# Allegro board PandaX_III_V3.brd (continued)
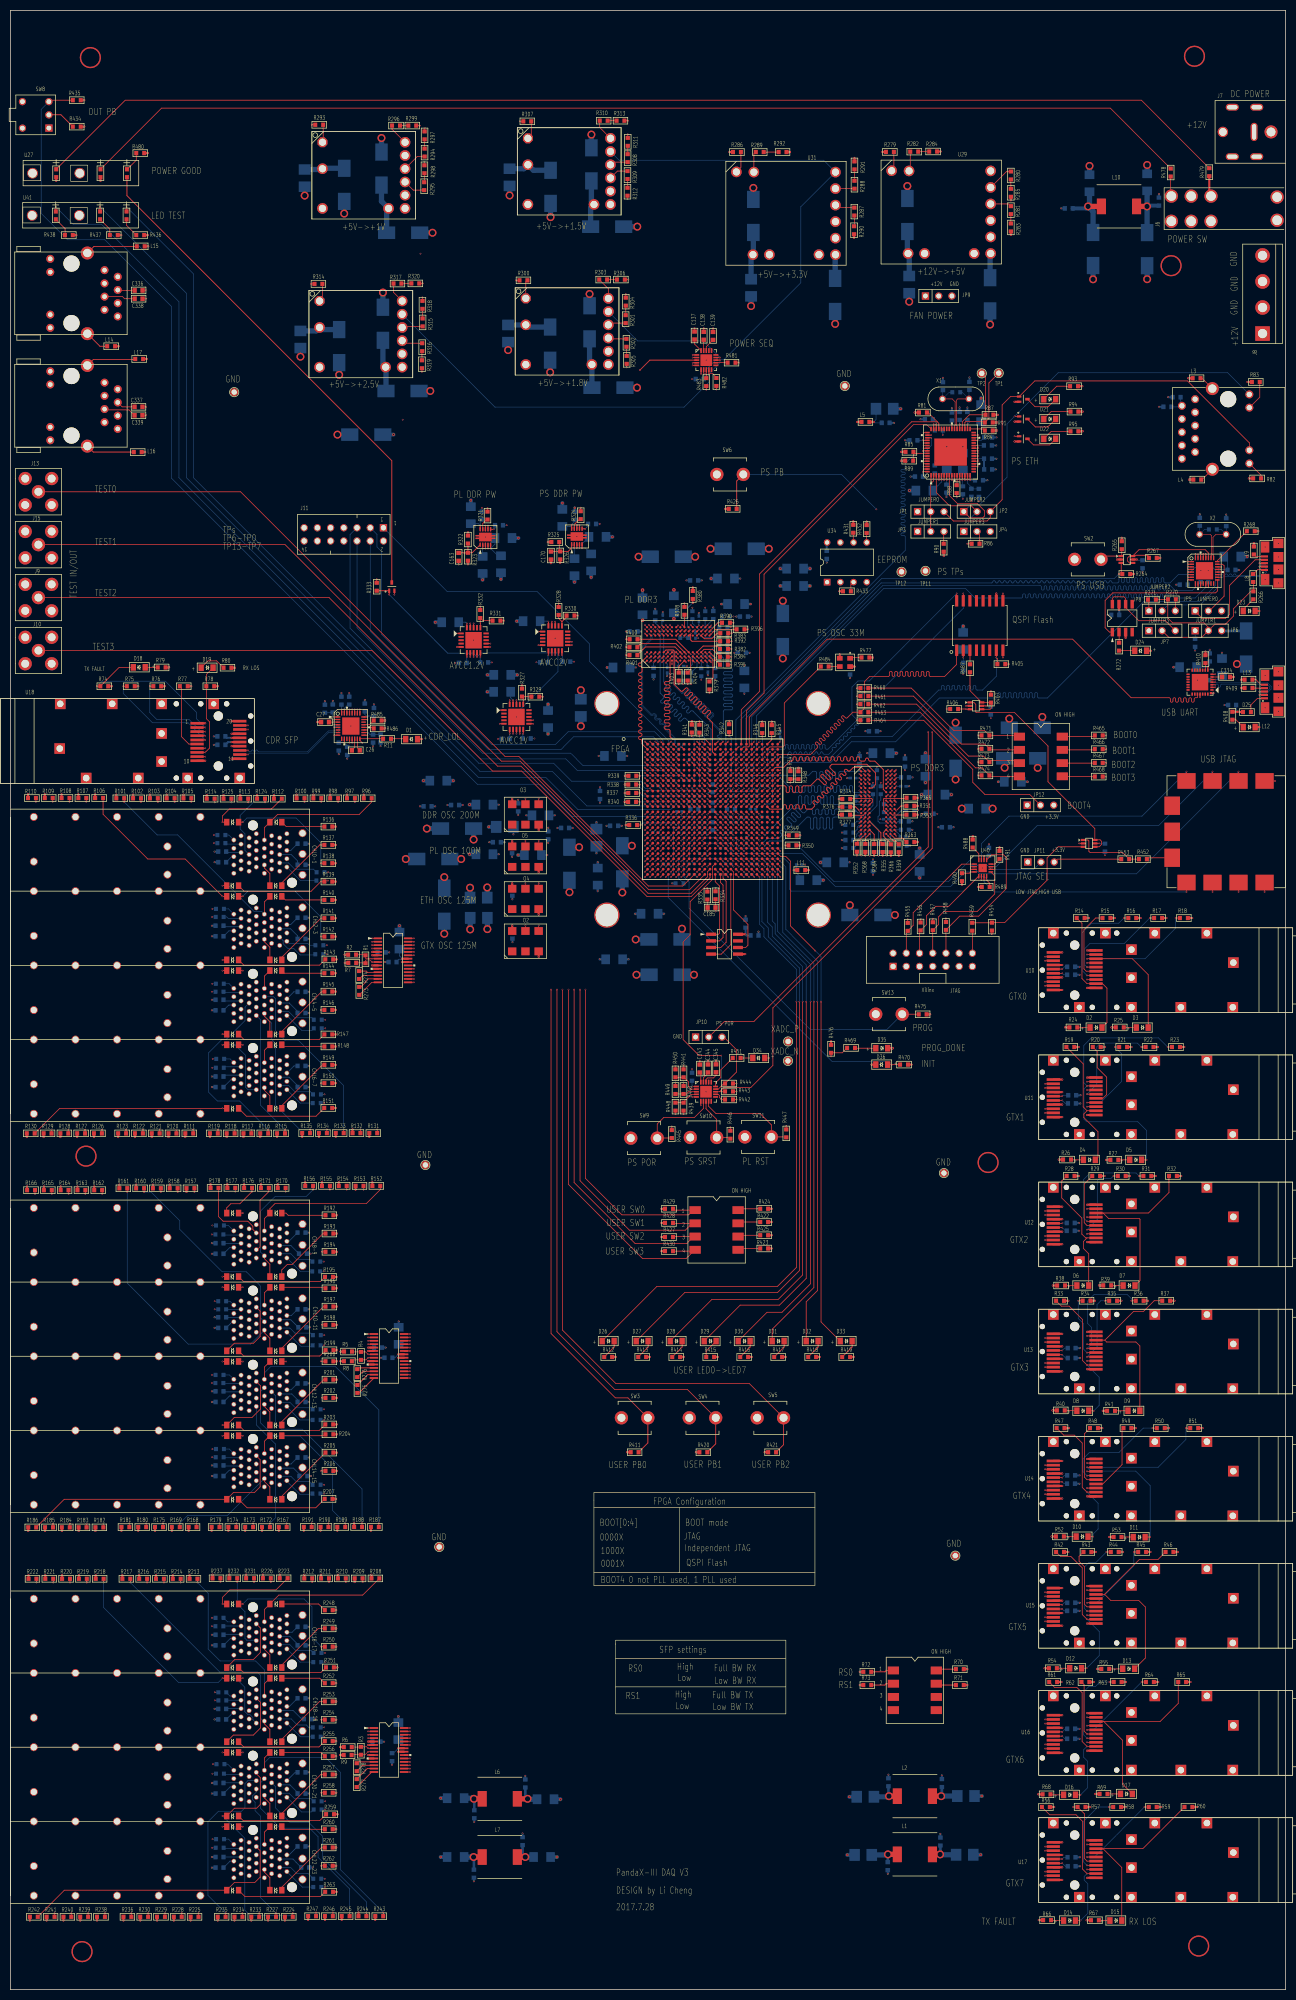
[diagram p0: board, top side]
## Placement (name value [footprint] x y rotation side) (continued)
TP11  TP  [GND40]  175.82 272.39 0 top
TP12  TP  [GND40]  171.22 272.21 0 top
U1  XC7Z045-2FFG676C  [FFG676]  134.92 226.62 0 top
U2  DS90LV110T  [TSSOP_28]  73.51 197.61 0 top
U3  DS90LV110T  [TSSOP_28]  72.75 121.64 0 top
U4  ADN2815  [USB3320_QFN32]  65.4 242.6 0 top
U6  88E1116R  [QFN_64]  180.64 295.2 90 top
U7  NC7WZ07  [SC70_6]  214.53 274.58 0 top
U8  USB3320  [USB3320_QFN32]  229.44 272.42 0 top
U9  MIC2025  [SOP127P500X600_8]  213.64 263.32 90 top
U10  74441-0010  [LASER22-4816-M]  208.58 192.33 180 top
U11  74441-0010  [LASER22-4816-M]  208.58 167.92 180 top
U12  74441-0010  [LASER22-4816-M]  208.58 143.51 180 top
U13  74441-0010  [LASER22-4816-M]  208.58 119.1 180 top
U14  74441-0010  [LASER22-4816-M]  208.58 94.69 180 top
U15  74441-0010  [LASER22-4816-M]  208.58 70.28 180 top
U16  74441-0010  [LASER22-4816-M]  208.58 45.87 180 top
U17  74441-0010  [LASER22-4816-M]  208.58 21.46 180 top
U18  74441-0010  [LASER22-4816-M]  35.86 243.13 0 top
U19  DS90LV110T  [TSSOP_28]  72.75 46 0 top
U20  TPS74901  [QFN_20]  97.23 244.35 0 top
U21  TPS74901  [QFN_20]  104.67 259.44 0 top
U22  TPS74901  [QFN_20]  89 259.08 0 top
U23  PTH04T230WAD  [R-PDSS-T10_CZ]  67.89 348.34 0 top
U24  PTH04T230WAD  [R-PDSS-T10_CZ]  106.96 318.36 0 top
U25  PTH04T230WAD  [R-PDSS-T10_CZ]  107.37 349.1 0 top
U26  PTH04T230WAD  [R-PDSS-T10_CZ]  67.34 317.86 0 top
U27  guangdaosuliao_0  [OP_3]  8.79 348.74 0 top
U28  TPS51200  [SON10_TPS51200]  91.26 278.89 0 top
U29  -  [PTH08T220W]  169.32 349.23 0 top
U30  MAX16027  [TQFN_20]  133.71 312.85 0 top
U31  -  [PTH08T220W]  139.5 349 0 top
U32  TPS51200  [SON10_TPS51200]  108.84 278.99 0 top
U33  MT41J256M16HA-107  [FBGA_DDR3_82P_96P]  166.67 227.89 0 top
U34  24LC64  [DIP8-100-300]  160.73 274.04 0 top
U35  CP2103  [QFN_28]  228.57 251.03 180 top
U36  NC7WZ07  [SC70_6]  185.52 246.48 0 top
U37  N25Q512A83GSF40  [SO16_WIDE]  186.26 261.9 0 top
U38  MAX16027  [TQFN_20]  133.65 172.39 0 top
U39  -  [JTAG-SMT2]  233.48 222.3 90 top
U40  TS3A44159  [QFN_16]  186.82 215.34 0 top
U41  guangdaosuliao_0  [OP_3]  8.71 340.64 0 top
U42  NC7WZ07  [SC70_6]  207.26 220.07 0 top
U43  MT41J256M16HA-107  [FBGA_DDR3_82P_96P]  128.32 258.37 90 top
X1  25M  [XTAL2-200A]  181.64 305.41 0 top
X2  24M  [XTAL2-200A]  231.04 279.4 180 top

## Library data of the parts
C7 C10 C13 C35 C37 C39 C41 C50 C51 C57 C58 C64 C69 C71 C72 C122 C126 C131 C133 C134 C136 C140-C162 C164 C167-C169 C171 C174 C175 C178 C179 C183 C196 C197 C210 C212-C214 C223-C226 C229-C240 C242 C243 C256-C258 C269 C270 C273-C275 C280-C284 C291 C296 C303-C305 C309 C314 C321-C323 C327 C332 C335 C503 = C POL
C8 C9 C11 C12 C14 C15 C20-C27 C30-C34 C36 C38 C40 C42-C49 C52-C56 C59-C63 C65-C68 C70 C73-C121 C123-C125 C127-C130 C132 C135 C137-C139 C163 C165 C166 C170 C172 C173 C176 C177 C180-C182 C184-C195 C198-C201 C203-C209 C211 C215-C222 C227 C228 C241 C244-C255 C259-C268 C271 C272 C276-C279 C285-C290 C292-C295 C297-C302 C306-C308 C310-C313 C315-C320 C324-C326 C328-C331 C333 C334 C336-C348 C350 C351 C354 C355 C357 C358 C481-C502 = C NP
D1-D36 = LED
DU1 DU2 = ETHERNET
DU3 = AT93C46D
J1 = RJ45_LED
J2 J14 = USB_micro
J3-J5 = Con_Stacked_SFP&SFP+
J6 = 1201M2S3AV2QE2
J7 = PJ-082BH
J8 = POWER_4
J9 J10 J13 J15 = LEMO
J11 J12 = JTAG_14
JP1-JP12 = JUMPER
L1-L17 = INDUCTOR_0: room: POWER
O1 = OSC
O2-O5 = OSC_DIFF
Q1-Q4 = RUE002N02
R1-R9 R11 R14-R539 = R
SW1 SW7 SW12 = SW-4
SW2-SW6 SW9-SW11 SW13 = SPB
SW8 = SW PUSHBUTTON_6
TP1-TP12 = TP
U1 = XC7Z045-2FFG676C
U2 U3 U19 = DS90LV110T
U4 = ADN2815
U6 = 88E1116R
U7 U36 U42 = NC7WZ07
U8 = USB3320
U9 = MIC2025
U10-U18 = 74441-0010
U20-U22 = TPS74901
U23-U26 = PTH04T230WAD
U27 U41 = guangdaosuliao_0
U28 U32 = TPS51200
U29 U31 = PTH08T220W
U30 U38 = MAX16027
U33 U43 = MT41J256M16HA-107
U34 = 24LC64
U35 = CP2103
U37 = N25Q512A83GSF40: User Part Number: part_number
U39 = JTAG-SMT2
U40 = TS3A44159
X1 X2 = XTAL

## Footprints (pads in the part's own frame, mm; a bottom-side part is the same pattern mirrored in y, then rotated)
1201M2S3AV2QE2
  round 2.54 hole 1.854: 1(-2.415,0) 2(-2.415,3.81) 3(-2.415,7.62) 4(2.415,0) 5(2.415,3.81) 6(2.415,7.62) 7(-2.225,-12.7) 8(2.225,-12.7)
CON-BNC-S-T
  round 2.54 hole 1.524: 1(0,0) 2(2.54,-2.54) 3(2.54,2.54) 4(-2.54,2.54) 5(-2.54,-2.54)
CON_STACKED_SFP_2X4
  round 1.9 hole 1.999 unplated: (-26.876,18.1) (-15.875,25.601) (-12.624,18.1) (-1.626,25.601) (1.626,18.1) (12.624,25.601) (15.875,18.1) (26.876,25.601)
  round 0.899 hole 0.65: 1L1(-18.075,17.371) 1L2(-18.875,18.75) 1L3(-19.675,17.371) 1L4(-20.475,18.75) 1L5(-21.275,17.371) 1L6(-22.075,18.75) 1L7(-22.875,17.371) 1L8(-23.675,18.75) 1L9(-24.475,17.371) 1L10(-25.275,18.75) 1L11(-24.874,15.819) 1L12(-24.074,14.43) 1L13(-23.274,15.819) 1L14(-22.474,14.43) 1L15(-21.674,15.819) 1L16(-20.876,14.43) 1L17(-20.076,15.819) 1L18(-19.276,14.43) 1L19(-18.476,15.819) 1L20(-17.676,14.43) 1T1(-24.874,21.689) 1T2(-24.074,20.3) 1T3(-23.274,21.689) 1T4(-22.474,20.3) 1T5(-21.674,21.689) 1T6(-20.876,20.3) 1T7(-20.076,21.689) 1T8(-19.276,20.3) 1T9(-18.476,21.689) 1T10(-17.676,20.3) 1T11(-18.075,23.241) 1T12(-18.875,24.62) 1T13(-19.675,23.241) 1T14(-20.475,24.62) 1T15(-21.275,23.241) 1T16(-22.075,24.62) 1T17(-22.875,23.241) 1T18(-23.675,24.62) 1T19(-24.475,23.241) 1T20(-25.275,24.62) 2L1(-3.825,17.371) 2L2(-4.625,18.75) 2L3(-5.425,17.371) 2L4(-6.225,18.75) 2L5(-7.026,17.371) 2L6(-7.826,18.75) 2L7(-8.626,17.371) 2L8(-9.426,18.75) 2L9(-10.226,17.371) 2L10(-11.026,18.75) 2L11(-10.625,15.819) 2L12(-9.825,14.43) 2L13(-9.025,15.819) 2L14(-8.224,14.43) 2L15(-7.424,15.819) 2L16(-6.624,14.43) 2L17(-5.824,15.819) 2L18(-5.024,14.43) 2L19(-4.224,15.819) 2L20(-3.424,14.43) 2T1(-10.625,21.689) 2T2(-9.825,20.3) 2T3(-9.025,21.689) 2T4(-8.224,20.3) 2T5(-7.424,21.689) 2T6(-6.624,20.3) 2T7(-5.824,21.689) 2T8(-5.024,20.3) 2T9(-4.224,21.689) 2T10(-3.424,20.3) 2T11(-3.825,23.241) 2T12(-4.625,24.62) 2T13(-5.425,23.241) 2T14(-6.225,24.62) 2T15(-7.026,23.241) 2T16(-7.826,24.62) 2T17(-8.626,23.241) 2T18(-9.426,24.62) 2T19(-10.226,23.241) 2T20(-11.026,24.62) 3L1(10.424,17.371) 3L2(9.624,18.75) 3L3(8.824,17.371) 3L4(8.024,18.75) 3L5(7.224,17.371) 3L6(6.426,18.75) 3L7(5.626,17.371) 3L8(4.826,18.75) 3L9(4.026,17.371) 3L10(3.226,18.75) 3L11(3.625,15.819) 3L12(4.425,14.43) 3L13(5.225,15.819) 3L14(6.025,14.43) 3L15(6.825,15.819) 3L16(7.625,14.43) 3L17(8.425,15.819) 3L18(9.225,14.43) 3L19(10.025,15.819) 3L20(10.826,14.43) 3T1(3.625,21.689) 3T2(4.425,20.3) 3T3(5.225,21.689) 3T4(6.025,20.3) 3T5(6.825,21.689) 3T6(7.625,20.3) 3T7(8.425,21.689) 3T8(9.225,20.3) 3T9(10.025,21.689) 3T10(10.826,20.3) 3T11(10.424,23.241) 3T12(9.624,24.62) 3T13(8.824,23.241) 3T14(8.024,24.62) 3T15(7.224,23.241) 3T16(6.426,24.62) 3T17(5.626,23.241) 3T18(4.826,24.62) 3T19(4.026,23.241) 3T20(3.226,24.62) 4L1(24.676,17.371) 4L2(23.876,18.75) 4L3(23.076,17.371) 4L4(22.276,18.75) 4L5(21.476,17.371) 4L6(20.676,18.75) 4L7(19.875,17.371) 4L8(19.075,18.75) 4L9(18.275,17.371) 4L10(17.475,18.75) 4L11(17.874,15.819) 4L12(18.674,14.43) 4L13(19.474,15.819) 4L14(20.274,14.43) 4L15(21.074,15.819) 4L16(21.875,14.43) 4L17(22.675,15.819) 4L18(23.475,14.43) 4L19(24.275,15.819) 4L20(25.075,14.43) 4T1(17.874,21.689) 4T2(18.674,20.3) 4T3(19.474,21.689) 4T4(20.274,20.3) 4T5(21.074,21.689) 4T6(21.875,20.3) 4T7(22.675,21.689) 4T8(23.475,20.3) 4T9(24.275,21.689) 4T10(25.075,20.3) 4T11(24.676,23.241) 4T12(23.876,24.62) 4T13(23.076,23.241) 4T14(22.276,24.62) 4T15(21.476,23.241) 4T16(20.676,24.62) 4T17(19.875,23.241) 4T18(19.075,24.62) 4T19(18.275,23.241) 4T20(17.475,24.62)
  rect 1.27x1.016 smd: 1L21(-27.501,15.339) 1L22(-27.501,13.061) 1L23(-15.301,15.339) 1L24(-15.301,13.061) 1T21(-27.501,23.64) 1T22(-27.501,21.359) 1T23(-15.301,23.64) 1T24(-15.301,21.359) 2L21(-13.251,15.339) 2L22(-13.251,13.061) 2L23(-1.049,15.339) 2L24(-1.049,13.061) 2T21(-13.251,23.64) 2T22(-13.251,21.359) 2T23(-1.049,23.64) 2T24(-1.049,21.359) 3L21(1.001,15.339) 3L22(1.001,13.061) 3L23(13.2,15.339) 3L24(13.2,13.061) 3T21(1.001,23.64) 3T22(1.001,21.359) 3T23(13.2,23.64) 3T24(13.2,21.359) 4L21(15.25,15.339) 4L22(15.25,13.061) 4L23(27.45,15.339) 4L24(27.45,13.061) 4T21(15.25,23.64) 4T22(15.25,21.359) 4T23(27.45,23.64) 4T24(27.45,21.359)
  round 1.501 hole 1.199: G1(-25.375,27.625) G2(-21.374,27.625) G3(-17.376,27.625) G4(-11.125,27.625) G5(-7.125,27.625) G6(-3.124,27.625) G7(3.124,27.625) G8(7.125,27.625) G9(11.125,27.625) G10(17.376,27.625) G11(21.374,27.625) G12(25.375,27.625) G21(-28.499,8.001) G22(-14.249,8.001) G23(0,8.001) G24(14.249,8.001) G25(28.499,8.001) G26(-22.824,1.674) G27(-17.424,1.674) G28(-8.575,1.674) G29(-3.175,1.674) G30(5.674,1.674) G31(11.074,1.674) G32(19.924,1.674) G33(25.324,1.674) G34(-28.499,0) G35(-14.249,0) G36(0,0) G37(14.249,0) G38(28.499,0) G39(-28.499,-8.001) G40(-14.249,-8.001) G41(0,-8.001) G42(14.249,-8.001) G43(28.499,-8.001) G44(-28.499,-16) G45(-14.249,-16) G46(0,-16) G47(14.249,-16) G48(28.499,-16) G49(-28.499,-24.001) G50(-19.924,-24.001) G51(-14.249,-24.001) G52(-5.674,-24.001) G53(0,-24.001) G54(8.575,-24.001) G55(14.249,-24.001) G56(22.824,-24.001) G57(28.499,-24.001)
CT1206
  rect 1.651x1.88 smd: 1(-1.632,0) 2(1.632,0)
CT3528
  rect 2.032x2.286 smd: 1(-1.651,0) 2(1.651,0)
CT7343
  rect 3.302x2.413 smd: 1(-3.175,0) 2(3.175,0)
DEM8045C
  rect 1.75x3 smd: 1(-3.375,0) 2(3.375,0)
DIP8-100-300
  rect 1.27x1.27 hole 0.813: 1(-3.81,-3.81)
  round 1.27 hole 0.813: 2(-1.27,-3.81) 3(1.27,-3.81) 4(3.81,-3.81) 5(3.81,3.81) 6(1.27,3.81) 7(-1.27,3.81) 8(-3.81,3.81)
EMT3
  rect 0.851x0.399 smd: 1(-0.8,-0.5) 2(-0.8,0.5)
  rect 0.851x0.5 smd: 3(0.8,0)
FBGA_DDR3_82P_96P
  round 0.399 smd: A1(-3.2,6) A2(-2.4,6) A3(-1.6,6) A7(1.6,6) A8(2.4,6) A9(3.2,6) B1(-3.2,5.199) B2(-2.4,5.199) B3(-1.6,5.199) B7(1.6,5.199) B8(2.4,5.199) B9(3.2,5.199) C1(-3.2,4.399) C2(-2.4,4.399) C3(-1.6,4.399) C7(1.6,4.399) C8(2.4,4.399) C9(3.2,4.399) D1(-3.2,3.599) D2(-2.4,3.599) D3(-1.6,3.599) D7(1.6,3.599) D8(2.4,3.599) D9(3.2,3.599) E1(-3.2,2.799) E2(-2.4,2.799) E3(-1.6,2.799) E7(1.6,2.799) E8(2.4,2.799) E9(3.2,2.799) F1(-3.2,1.999) F2(-2.4,1.999) F3(-1.6,1.999) F7(1.6,1.999) F8(2.4,1.999) F9(3.2,1.999) G1(-3.2,1.199) G2(-2.4,1.199) G3(-1.6,1.199) G7(1.6,1.199) G8(2.4,1.199) G9(3.2,1.199) H1(-3.2,0.399) H2(-2.4,0.399) H3(-1.6,0.399) H7(1.6,0.399) H8(2.4,0.399) H9(3.2,0.399) J1(-3.2,-0.399) J2(-2.4,-0.399) J3(-1.6,-0.399) J7(1.6,-0.399) J8(2.4,-0.399) J9(3.2,-0.399) K1(-3.2,-1.199) K2(-2.4,-1.199) K3(-1.6,-1.199) K7(1.6,-1.199) K8(2.4,-1.199) K9(3.2,-1.199) L1(-3.2,-1.999) L2(-2.4,-1.999) L3(-1.6,-1.999) L7(1.6,-1.999) L8(2.4,-1.999) L9(3.2,-1.999) M1(-3.2,-2.799) M2(-2.4,-2.799) M3(-1.6,-2.799) M7(1.6,-2.799) M8(2.4,-2.799) M9(3.2,-2.799) N1(-3.2,-3.599) N2(-2.4,-3.599) N3(-1.6,-3.599) N7(1.6,-3.599) N8(2.4,-3.599) N9(3.2,-3.599) P1(-3.2,-4.399) P2(-2.4,-4.399) P3(-1.6,-4.399) P7(1.6,-4.399) P8(2.4,-4.399) P9(3.2,-4.399) R1(-3.2,-5.199) R2(-2.4,-5.199) R3(-1.6,-5.199) R7(1.6,-5.199) R8(2.4,-5.199) R9(3.2,-5.199) T1(-3.2,-6) T2(-2.4,-6) T3(-1.6,-6) T7(1.6,-6) T8(2.4,-6) T9(3.2,-6)
FFG676
  round 0.508 smd: A1(-12.499,12.499) A2(-11.501,12.499) A3(-10.5,12.499) A4(-9.5,12.499) A5(-8.499,12.499) A6(-7.501,12.499) A7(-6.5,12.499) A8(-5.499,12.499) A9(-4.501,12.499) A10(-3.5,12.499) A11(-2.499,12.499) A12(-1.501,12.499) A13(-0.5,12.499) A14(0.5,12.499) A15(1.501,12.499) A16(2.499,12.499) A17(3.5,12.499) A18(4.501,12.499) A19(5.499,12.499) A20(6.5,12.499) A21(7.501,12.499) A22(8.499,12.499) A23(9.5,12.499) A24(10.5,12.499) A25(11.501,12.499) A26(12.499,12.499) AA1(-12.499,-7.501) AA2(-11.501,-7.501) AA3(-10.5,-7.501) AA4(-9.5,-7.501) AA5(-8.499,-7.501) AA6(-7.501,-7.501) AA7(-6.5,-7.501) AA8(-5.499,-7.501) AA9(-4.501,-7.501) AA10(-3.5,-7.501) AA11(-2.499,-7.501) AA12(-1.501,-7.501) AA13(-0.5,-7.501) AA14(0.5,-7.501) AA15(1.501,-7.501) AA16(2.499,-7.501) AA17(3.5,-7.501) AA18(4.501,-7.501) AA19(5.499,-7.501) AA20(6.5,-7.501) AA21(7.501,-7.501) AA22(8.499,-7.501) AA23(9.5,-7.501) AA24(10.5,-7.501) AA25(11.501,-7.501) AA26(12.499,-7.501) AB1(-12.499,-8.499) AB2(-11.501,-8.499) AB3(-10.5,-8.499) AB4(-9.5,-8.499) AB5(-8.499,-8.499) AB6(-7.501,-8.499) AB7(-6.5,-8.499) AB8(-5.499,-8.499) AB9(-4.501,-8.499) AB10(-3.5,-8.499) AB11(-2.499,-8.499) AB12(-1.501,-8.499) AB13(-0.5,-8.499) AB14(0.5,-8.499) AB15(1.501,-8.499) AB16(2.499,-8.499) AB17(3.5,-8.499) AB18(4.501,-8.499) AB19(5.499,-8.499) AB20(6.5,-8.499) AB21(7.501,-8.499) AB22(8.499,-8.499) AB23(9.5,-8.499) AB24(10.5,-8.499) AB25(11.501,-8.499) AB26(12.499,-8.499) AC1(-12.499,-9.5) AC2(-11.501,-9.5) AC3(-10.5,-9.5) AC4(-9.5,-9.5) AC5(-8.499,-9.5) AC6(-7.501,-9.5) AC7(-6.5,-9.5) AC8(-5.499,-9.5) AC9(-4.501,-9.5) AC10(-3.5,-9.5) AC11(-2.499,-9.5) AC12(-1.501,-9.5) AC13(-0.5,-9.5) AC14(0.5,-9.5) AC15(1.501,-9.5) AC16(2.499,-9.5) AC17(3.5,-9.5) AC18(4.501,-9.5) AC19(5.499,-9.5) AC20(6.5,-9.5) AC21(7.501,-9.5) AC22(8.499,-9.5) AC23(9.5,-9.5) AC24(10.5,-9.5) AC25(11.501,-9.5) AC26(12.499,-9.5) AD1(-12.499,-10.5) AD2(-11.501,-10.5) AD3(-10.5,-10.5) AD4(-9.5,-10.5) AD5(-8.499,-10.5) AD6(-7.501,-10.5) AD7(-6.5,-10.5) AD8(-5.499,-10.5) AD9(-4.501,-10.5) AD10(-3.5,-10.5) AD11(-2.499,-10.5) AD12(-1.501,-10.5) AD13(-0.5,-10.5) AD14(0.5,-10.5) AD15(1.501,-10.5) AD16(2.499,-10.5) AD17(3.5,-10.5) AD18(4.501,-10.5) AD19(5.499,-10.5) AD20(6.5,-10.5) AD21(7.501,-10.5) AD22(8.499,-10.5) AD23(9.5,-10.5) AD24(10.5,-10.5) AD25(11.501,-10.5) AD26(12.499,-10.5) AE1(-12.499,-11.501) AE2(-11.501,-11.501) AE3(-10.5,-11.501) AE4(-9.5,-11.501) AE5(-8.499,-11.501) AE6(-7.501,-11.501) AE7(-6.5,-11.501) AE8(-5.499,-11.501) AE9(-4.501,-11.501) AE10(-3.5,-11.501) AE11(-2.499,-11.501) AE12(-1.501,-11.501) AE13(-0.5,-11.501) AE14(0.5,-11.501) AE15(1.501,-11.501) AE16(2.499,-11.501) AE17(3.5,-11.501) AE18(4.501,-11.501) AE19(5.499,-11.501) AE20(6.5,-11.501) AE21(7.501,-11.501) AE22(8.499,-11.501) AE23(9.5,-11.501) AE24(10.5,-11.501) AE25(11.501,-11.501) AE26(12.499,-11.501) AF1(-12.499,-12.499) AF2(-11.501,-12.499) AF3(-10.5,-12.499) AF4(-9.5,-12.499) AF5(-8.499,-12.499) AF6(-7.501,-12.499) AF7(-6.5,-12.499) AF8(-5.499,-12.499) AF9(-4.501,-12.499) AF10(-3.5,-12.499) AF11(-2.499,-12.499) AF12(-1.501,-12.499) AF13(-0.5,-12.499) AF14(0.5,-12.499) AF15(1.501,-12.499) AF16(2.499,-12.499) AF17(3.5,-12.499) AF18(4.501,-12.499) AF19(5.499,-12.499) AF20(6.5,-12.499) AF21(7.501,-12.499) AF22(8.499,-12.499) AF23(9.5,-12.499) AF24(10.5,-12.499) AF25(11.501,-12.499) AF26(12.499,-12.499) B1(-12.499,11.501) B2(-11.501,11.501) B3(-10.5,11.501) B4(-9.5,11.501) B5(-8.499,11.501) B6(-7.501,11.501) B7(-6.5,11.501) B8(-5.499,11.501) B9(-4.501,11.501) B10(-3.5,11.501) B11(-2.499,11.501) B12(-1.501,11.501) B13(-0.5,11.501) B14(0.5,11.501) B15(1.501,11.501) B16(2.499,11.501) B17(3.5,11.501) B18(4.501,11.501) B19(5.499,11.501) B20(6.5,11.501) B21(7.501,11.501) B22(8.499,11.501) B23(9.5,11.501) B24(10.5,11.501) B25(11.501,11.501) B26(12.499,11.501) C1(-12.499,10.5) C2(-11.501,10.5) C3(-10.5,10.5) C4(-9.5,10.5) C5(-8.499,10.5) C6(-7.501,10.5) C7(-6.5,10.5) C8(-5.499,10.5) C9(-4.501,10.5) C10(-3.5,10.5) C11(-2.499,10.5) C12(-1.501,10.5) C13(-0.5,10.5) C14(0.5,10.5) C15(1.501,10.5) C16(2.499,10.5) C17(3.5,10.5) C18(4.501,10.5) C19(5.499,10.5) C20(6.5,10.5) C21(7.501,10.5) C22(8.499,10.5) C23(9.5,10.5) C24(10.5,10.5) C25(11.501,10.5) C26(12.499,10.5) D1(-12.499,9.5) D2(-11.501,9.5) D3(-10.5,9.5) D4(-9.5,9.5) D5(-8.499,9.5) D6(-7.501,9.5) D7(-6.5,9.5) D8(-5.499,9.5) D9(-4.501,9.5) D10(-3.5,9.5) D11(-2.499,9.5) D12(-1.501,9.5) D13(-0.5,9.5) D14(0.5,9.5) D15(1.501,9.5) D16(2.499,9.5) D17(3.5,9.5) D18(4.501,9.5) D19(5.499,9.5) D20(6.5,9.5) D21(7.501,9.5) D22(8.499,9.5) D23(9.5,9.5) D24(10.5,9.5) D25(11.501,9.5) D26(12.499,9.5) E1(-12.499,8.499) E2(-11.501,8.499) E3(-10.5,8.499) E4(-9.5,8.499) E5(-8.499,8.499) E6(-7.501,8.499) E7(-6.5,8.499) E8(-5.499,8.499) E9(-4.501,8.499) E10(-3.5,8.499) E11(-2.499,8.499) E12(-1.501,8.499) E13(-0.5,8.499) E14(0.5,8.499) E15(1.501,8.499) E16(2.499,8.499) E17(3.5,8.499) E18(4.501,8.499) E19(5.499,8.499) E20(6.5,8.499) E21(7.501,8.499) E22(8.499,8.499) E23(9.5,8.499) E24(10.5,8.499) E25(11.501,8.499) E26(12.499,8.499) F1(-12.499,7.501) F2(-11.501,7.501) F3(-10.5,7.501) F4(-9.5,7.501) F5(-8.499,7.501) F6(-7.501,7.501) F7(-6.5,7.501) F8(-5.499,7.501) F9(-4.501,7.501) F10(-3.5,7.501) F11(-2.499,7.501) F12(-1.501,7.501) F13(-0.5,7.501) F14(0.5,7.501) F15(1.501,7.501) F16(2.499,7.501) F17(3.5,7.501) F18(4.501,7.501) F19(5.499,7.501) F20(6.5,7.501) F21(7.501,7.501) F22(8.499,7.501) F23(9.5,7.501) F24(10.5,7.501) F25(11.501,7.501) F26(12.499,7.501) G1(-12.499,6.5) G2(-11.501,6.5) G3(-10.5,6.5) G4(-9.5,6.5) G5(-8.499,6.5) G6(-7.501,6.5) G7(-6.5,6.5) G8(-5.499,6.5) G9(-4.501,6.5) G10(-3.5,6.5) G11(-2.499,6.5) G12(-1.501,6.5) G13(-0.5,6.5) G14(0.5,6.5) G15(1.501,6.5) G16(2.499,6.5) G17(3.5,6.5) G18(4.501,6.5) G19(5.499,6.5) G20(6.5,6.5) G21(7.501,6.5) G22(8.499,6.5) G23(9.5,6.5) G24(10.5,6.5) G25(11.501,6.5) G26(12.499,6.5) H1(-12.499,5.499) H2(-11.501,5.499) H3(-10.5,5.499) H4(-9.5,5.499) H5(-8.499,5.499) H6(-7.501,5.499) H7(-6.5,5.499) H8(-5.499,5.499) H9(-4.501,5.499) H10(-3.5,5.499) H11(-2.499,5.499) H12(-1.501,5.499) H13(-0.5,5.499) H14(0.5,5.499) H15(1.501,5.499) H16(2.499,5.499) H17(3.5,5.499) H18(4.501,5.499) H19(5.499,5.499) H20(6.5,5.499) H21(7.501,5.499) H22(8.499,5.499) H23(9.5,5.499) H24(10.5,5.499) H25(11.501,5.499) H26(12.499,5.499) J1(-12.499,4.501) J2(-11.501,4.501) J3(-10.5,4.501) J4(-9.5,4.501) J5(-8.499,4.501) J6(-7.501,4.501) J7(-6.5,4.501) J8(-5.499,4.501) J9(-4.501,4.501) J10(-3.5,4.501) J11(-2.499,4.501) J12(-1.501,4.501) J13(-0.5,4.501) J14(0.5,4.501) J15(1.501,4.501) J16(2.499,4.501) J17(3.5,4.501) J18(4.501,4.501) J19(5.499,4.501) J20(6.5,4.501) J21(7.501,4.501) J22(8.499,4.501) J23(9.5,4.501) J24(10.5,4.501) J25(11.501,4.501) J26(12.499,4.501) K1(-12.499,3.5) K2(-11.501,3.5) K3(-10.5,3.5) K4(-9.5,3.5) K5(-8.499,3.5) K6(-7.501,3.5) K7(-6.5,3.5) K8(-5.499,3.5) K9(-4.501,3.5) K10(-3.5,3.5) K11(-2.499,3.5) K12(-1.501,3.5) K13(-0.5,3.5) K14(0.5,3.5) K15(1.501,3.5) K16(2.499,3.5) K17(3.5,3.5) K18(4.501,3.5) K19(5.499,3.5) K20(6.5,3.5) K21(7.501,3.5) K22(8.499,3.5) K23(9.5,3.5) K24(10.5,3.5) K25(11.501,3.5) K26(12.499,3.5) L1(-12.499,2.499) L2(-11.501,2.499) L3(-10.5,2.499) L4(-9.5,2.499) L5(-8.499,2.499) L6(-7.501,2.499) L7(-6.5,2.499) L8(-5.499,2.499) L9(-4.501,2.499) L10(-3.5,2.499) L11(-2.499,2.499) L12(-1.501,2.499) L13(-0.5,2.499) L14(0.5,2.499) L15(1.501,2.499) L16(2.499,2.499) L17(3.5,2.499) L18(4.501,2.499) L19(5.499,2.499) L20(6.5,2.499) L21(7.501,2.499) L22(8.499,2.499) L23(9.5,2.499) L24(10.5,2.499) L25(11.501,2.499) L26(12.499,2.499) M1(-12.499,1.501) M2(-11.501,1.501) M3(-10.5,1.501) M4(-9.5,1.501) M5(-8.499,1.501) M6(-7.501,1.501) M7(-6.5,1.501) M8(-5.499,1.501) M9(-4.501,1.501) M10(-3.5,1.501) M11(-2.499,1.501) M12(-1.501,1.501) M13(-0.5,1.501) M14(0.5,1.501) M15(1.501,1.501) M16(2.499,1.501) M17(3.5,1.501) M18(4.501,1.501) M19(5.499,1.501) M20(6.5,1.501) M21(7.501,1.501) M22(8.499,1.501) M23(9.5,1.501) M24(10.5,1.501) M25(11.501,1.501) M26(12.499,1.501) N1(-12.499,0.5) N2(-11.501,0.5) N3(-10.5,0.5) N4(-9.5,0.5) N5(-8.499,0.5) N6(-7.501,0.5) N7(-6.5,0.5) N8(-5.499,0.5) N9(-4.501,0.5) N10(-3.5,0.5) N11(-2.499,0.5) N12(-1.501,0.5) N13(-0.5,0.5) N14(0.5,0.5) N15(1.501,0.5) N16(2.499,0.5) N17(3.5,0.5) N18(4.501,0.5) N19(5.499,0.5) N20(6.5,0.5) N21(7.501,0.5) N22(8.499,0.5) N23(9.5,0.5) N24(10.5,0.5) N25(11.501,0.5) N26(12.499,0.5) P1(-12.499,-0.5) P2(-11.501,-0.5) P3(-10.5,-0.5) P4(-9.5,-0.5) P5(-8.499,-0.5) P6(-7.501,-0.5) P7(-6.5,-0.5) P8(-5.499,-0.5) P9(-4.501,-0.5) P10(-3.5,-0.5) P11(-2.499,-0.5) P12(-1.501,-0.5) P13(-0.5,-0.5) P14(0.5,-0.5) P15(1.501,-0.5) P16(2.499,-0.5) P17(3.5,-0.5) P18(4.501,-0.5) P19(5.499,-0.5) P20(6.5,-0.5) P21(7.501,-0.5) P22(8.499,-0.5) P23(9.5,-0.5) P24(10.5,-0.5) P25(11.501,-0.5) P26(12.499,-0.5) R1(-12.499,-1.501) R2(-11.501,-1.501) R3(-10.5,-1.501) R4(-9.5,-1.501) R5(-8.499,-1.501) R6(-7.501,-1.501) R7(-6.5,-1.501) R8(-5.499,-1.501) R9(-4.501,-1.501) R10(-3.5,-1.501) R11(-2.499,-1.501) R12(-1.501,-1.501) R13(-0.5,-1.501) R14(0.5,-1.501) R15(1.501,-1.501) R16(2.499,-1.501) R17(3.5,-1.501) R18(4.501,-1.501) R19(5.499,-1.501) R20(6.5,-1.501) R21(7.501,-1.501) R22(8.499,-1.501) R23(9.5,-1.501) R24(10.5,-1.501) R25(11.501,-1.501) R26(12.499,-1.501) T1(-12.499,-2.499) T2(-11.501,-2.499) T3(-10.5,-2.499) T4(-9.5,-2.499) T5(-8.499,-2.499) T6(-7.501,-2.499) T7(-6.5,-2.499) T8(-5.499,-2.499) T9(-4.501,-2.499) T10(-3.5,-2.499) T11(-2.499,-2.499) T12(-1.501,-2.499) T13(-0.5,-2.499) T14(0.5,-2.499) T15(1.501,-2.499) T16(2.499,-2.499) T17(3.5,-2.499) T18(4.501,-2.499) T19(5.499,-2.499) T20(6.5,-2.499) T21(7.501,-2.499) T22(8.499,-2.499) T23(9.5,-2.499) T24(10.5,-2.499) T25(11.501,-2.499) T26(12.499,-2.499) U1(-12.499,-3.5) U2(-11.501,-3.5) U3(-10.5,-3.5) U4(-9.5,-3.5) U5(-8.499,-3.5) U6(-7.501,-3.5) U7(-6.5,-3.5) U8(-5.499,-3.5) U9(-4.501,-3.5) U10(-3.5,-3.5) U11(-2.499,-3.5) U12(-1.501,-3.5) U13(-0.5,-3.5) U14(0.5,-3.5) U15(1.501,-3.5) U16(2.499,-3.5) U17(3.5,-3.5) U18(4.501,-3.5) U19(5.499,-3.5) U20(6.5,-3.5) U21(7.501,-3.5) U22(8.499,-3.5) U23(9.5,-3.5) U24(10.5,-3.5) U25(11.501,-3.5) U26(12.499,-3.5) V1(-12.499,-4.501) V2(-11.501,-4.501) V3(-10.5,-4.501) V4(-9.5,-4.501) V5(-8.499,-4.501) V6(-7.501,-4.501) V7(-6.5,-4.501) V8(-5.499,-4.501) V9(-4.501,-4.501) V10(-3.5,-4.501) V11(-2.499,-4.501) V12(-1.501,-4.501) V13(-0.5,-4.501) V14(0.5,-4.501) V15(1.501,-4.501) V16(2.499,-4.501) V17(3.5,-4.501) V18(4.501,-4.501) V19(5.499,-4.501) V20(6.5,-4.501) V21(7.501,-4.501) V22(8.499,-4.501) V23(9.5,-4.501) V24(10.5,-4.501) V25(11.501,-4.501) V26(12.499,-4.501) W1(-12.499,-5.499) W2(-11.501,-5.499) W3(-10.5,-5.499) W4(-9.5,-5.499) W5(-8.499,-5.499) W6(-7.501,-5.499) W7(-6.5,-5.499) W8(-5.499,-5.499) W9(-4.501,-5.499) W10(-3.5,-5.499) W11(-2.499,-5.499) W12(-1.501,-5.499) W13(-0.5,-5.499) W14(0.5,-5.499) W15(1.501,-5.499) W16(2.499,-5.499) W17(3.5,-5.499) W18(4.501,-5.499) W19(5.499,-5.499) W20(6.5,-5.499) W21(7.501,-5.499) W22(8.499,-5.499) W23(9.5,-5.499) W24(10.5,-5.499) W25(11.501,-5.499) W26(12.499,-5.499) Y1(-12.499,-6.5) Y2(-11.501,-6.5) Y3(-10.5,-6.5) Y4(-9.5,-6.5) Y5(-8.499,-6.5) Y6(-7.501,-6.5) Y7(-6.5,-6.5) Y8(-5.499,-6.5) Y9(-4.501,-6.5) Y10(-3.5,-6.5) Y11(-2.499,-6.5) Y12(-1.501,-6.5) Y13(-0.5,-6.5) Y14(0.5,-6.5) Y15(1.501,-6.5) Y16(2.499,-6.5) Y17(3.5,-6.5) Y18(4.501,-6.5) Y19(5.499,-6.5) Y20(6.5,-6.5) Y21(7.501,-6.5) Y22(8.499,-6.5) Y23(9.5,-6.5) Y24(10.5,-6.5) Y25(11.501,-6.5) Y26(12.499,-6.5)
GND40
  round 1.524 hole 1.016: 1(0,0)
HEAD-14P
  rect 1.397x1.397 hole 1.016: 1(-7.62,-1.27)
  round 1.397 hole 1.016: 2(-7.62,1.27) 3(-5.08,-1.27) 4(-5.08,1.27) 5(-2.54,-1.27) 6(-2.54,1.27) 7(0,-1.27) 8(0,1.27) 9(2.54,-1.27) 10(2.54,1.27) 11(5.08,-1.27) 12(5.08,1.27) 13(7.62,-1.27) 14(7.62,1.27)
JTAG-14P
  rect 1.397x1.397 hole 1.016: 1(5.131,3.226)
  round 1.397 hole 1.016: 2(5.131,5.766) 3(7.671,3.226) 4(7.671,5.766) 5(10.211,3.226) 6(10.211,5.766) 7(12.751,3.226) 8(12.751,5.766) 9(15.291,3.226) 10(15.291,5.766) 11(17.831,3.226) 12(17.831,5.766) 13(20.371,3.226) 14(20.371,5.766)
JTAG-SMT2
  rect 2.997x3.505 smd: 1(9.751,-7.501) 2(9.751,-2.499) 3(9.751,2.499) 4(9.751,7.501) 5(-9.751,7.501) 6(-9.751,2.499) 7(-9.751,-2.499) 8(-9.751,-7.501)
  rect 3.505x2.997 smd: 9(5.001,10.249) 10(0,10.249) 11(-5.001,10.249)
LASER22-4816-M
  round 1.016 hole 1.016 unplated: (-3.988,3.734) (-3.988,-10.516) (0.711,3.734) (0.711,-10.516) (5.69,3.734) (5.69,-10.516) (10.312,1.397) (10.312,-3.404) (10.312,-8.204)
  round 1.778 hole 1.778 unplated: (4.089,1.397) (4.089,-8.204)
  rect 2.54x0.508 smd: 1(0,0) 2(0,-0.813) 3(0,-1.6) 4(0,-2.388) 5(0,-3.2) 6(0,-3.988) 7(0,-4.801) 8(0,-5.588) 9(0,-6.401) 10(0,-7.188) 11(8.204,-6.807) 12(8.204,-5.994) 13(8.204,-5.207) 14(8.204,-4.394) 15(8.204,-3.607) 16(8.204,-2.794) 17(8.204,-2.007) 18(8.204,-1.194) 19(8.204,-0.406) 20(8.204,0.406)
  rect 2.032x2.032 hole 1.27: 23(-21.311,-10.516) 24(-11.303,-10.516) 26(-1.803,-10.516) 29(8.204,-10.516) 37(-6.807,3.734) 38(-16.307,3.734) 39(-26.289,3.734) 40(-26.391,-4.851) 41(-6.807,-7.341) 42(-6.807,-1.956)
  rect 2.032x2.032 hole 1.016: 34(3.2,3.734)
MICRO_USB
  rect 1.351x0.399 smd: 1(2.675,1.301) 2(2.675,0.65) 3(2.675,0) 4(2.675,-0.65) 5(2.675,-1.301)
  rect 1.6x2.101 smd: 6(2.55,3.101) 7(2.55,-3.101)
  rect 1.9x1.801 smd: 8(0,3.8) 9(0,-3.8)
  rect 1.9x1.9 smd: 10(0,1.199) 11(0,-1.199)
OP_3
  round 2.032 hole 1.676: 1(-4.534,0) 2(4.534,0)
  rect 0.762x0.813 smd: 3(0.013,0.762) 4(0.013,-0.762) 5(8.522,0.762) 6(8.522,-0.762) 7(13.602,0.762) 8(13.602,-0.762)
PJ-082BH
  round 1.999 hole 1.501: 1(0,0)
  oval 1.301x3.5 hole 0.8x3: 2(-6,0)
  round 2.499 hole 1.699: 3(-9.251,0)
  oval 2.499x1.301 hole 1.999x0.8: 4(-6.5,4.75) 5(-1.801,4.75) 6(-1.801,-4.75) 7(-6.5,-4.75)
PSW2-T
  round 2.54 hole 1.524: 1(-2.54,0) 2(2.54,0)
PTH08T220W
  round 2.032 hole 1.397: 1(0,0) 2(3.17,-15.89) 3(6.34,-15.89) 4(15.86,-15.89) 5(19.03,-15.89) 6(19.03,-12.72) 7(19.03,-9.55) 8(19.03,-6.381) 9(19.03,-3.211) 10(19.03,-0.041) 11(3.35,-0.041)
QFN_16
  rect 0.889x0.254 smd: 1(-1.562,0.749) 2(-1.562,0.249) 3(-1.562,-0.249) 4(-1.562,-0.749) 9(1.562,-0.749) 10(1.562,-0.249) 11(1.562,0.249) 12(1.562,0.749)